# KiCad board Bellbot.kicad_pcb (continued)
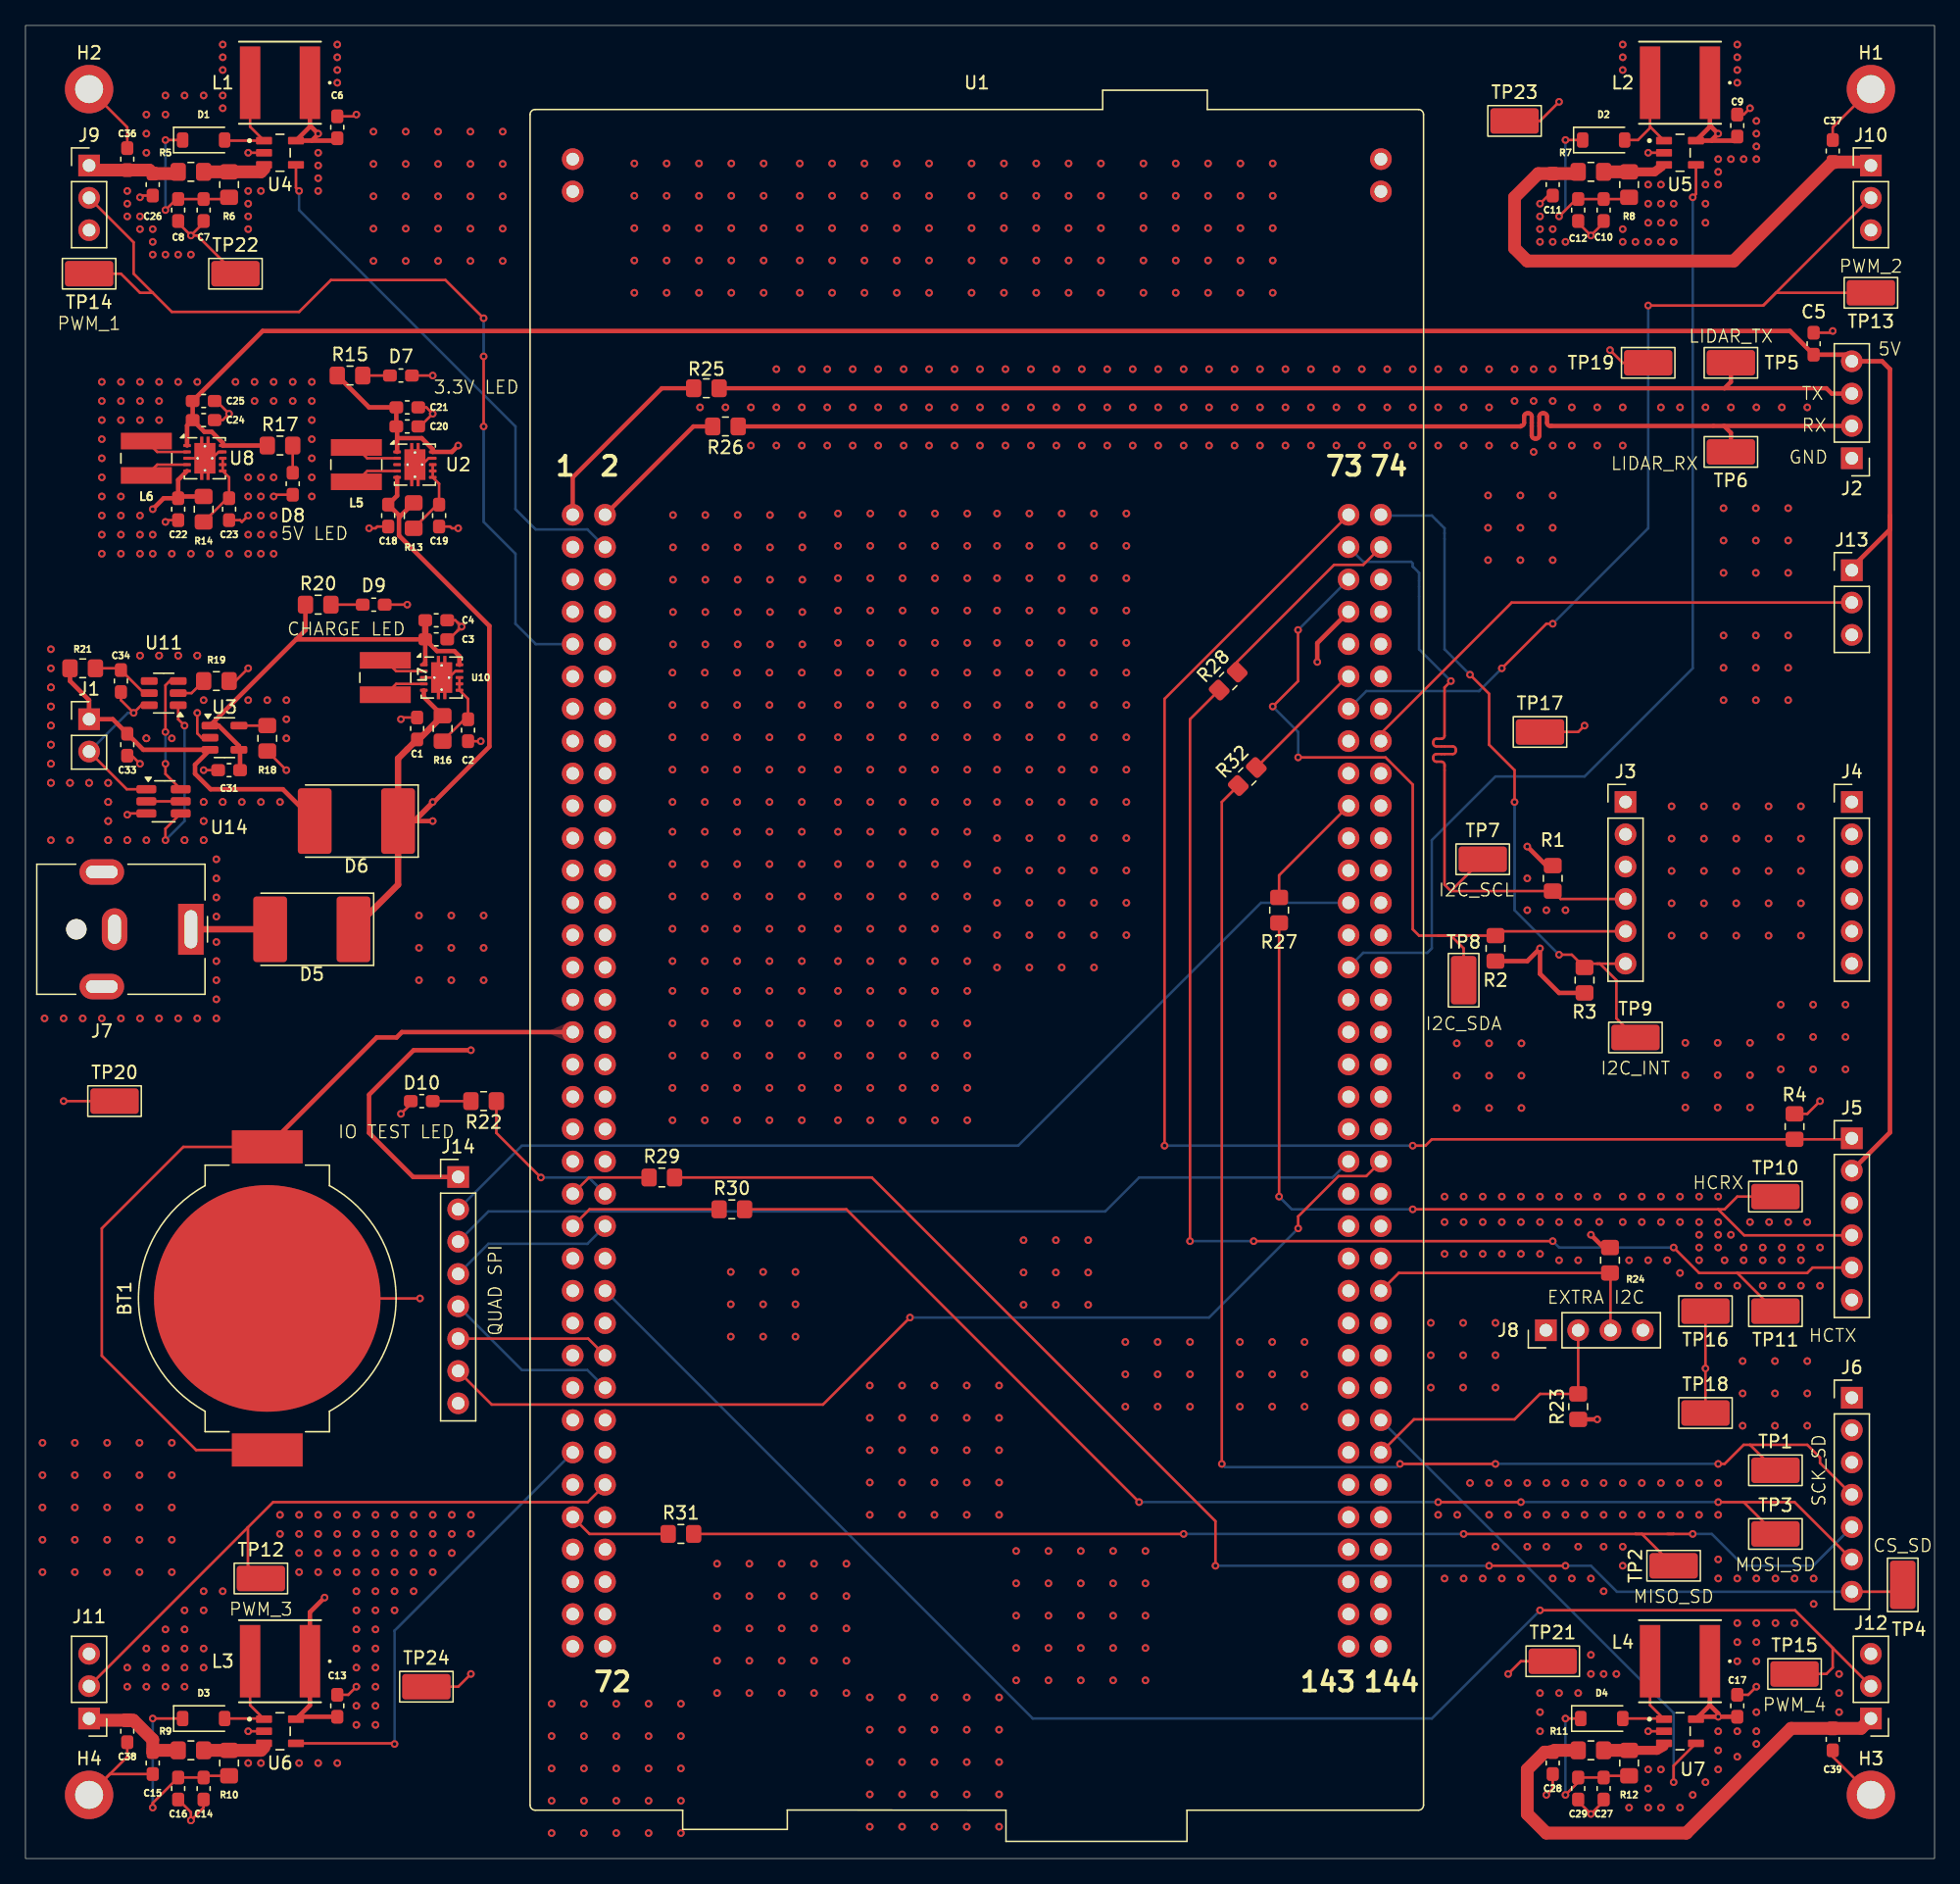
[diagram p0: board, top side]
## Footprints (pads in the part's own frame, mm; a bottom-side part is the same pattern mirrored in y, then rotated) (continued)
  rrect 0.6x0.24 smd: 1(-1.4,1) 2(-1.4,0.5) 3(-1.4,0) 4(-1.4,-0.5) 5(-1.4,-1) 6(1.4,-1) 7(1.4,-0.5) 8(1.4,0) 9(1.4,0.5) 10(1.4,1)
  round 0.5 hole 0.2: 11(-0.575,0) 11(0,0.95) 11(0,-0.95) 11(0.575,0)
  custom 1.65x2.4 smd: 11(0,0)

## Nets
3V3RX_LIDAR: J2.2 R26.1 R26.2 TP6.1 U1.2
3V3TX_LIDAR: J2.3 R25.1 R25.2 TP5.1 U1.1
8V_REG_EN1: U1.4 U4.4
8V_REG_EN2: U1.101 U5.4
8V_REG_EN3: U1.59 U6.4
8V_REG_EN4: U1.130 U7.4
+3.3V: C20.1 C21.1 J3.1 J6.1 J8.4 J14.1 R1.1 R2.1 R3.1 R15.1 R23.1 R24.1 U1.5 U1.12 U1.16 U1.79 U2.1 U2.10
+3V0: BT1.1 U1.33
+5V: C5.1 C24.1 C25.1 J2.4 J5.2 J13.1 R17.1 U8.1 U8.10
+5VC: C3.1 C4.1 C31.1 R20.1 U3.1 U3.4 U10.1 U10.10
+5VD: C1.1 C6.1 C9.1 C13.1 C17.1 C18.1 C22.1 D5.1 D6.1 L1.1 L2.1 L3.1 L4.1 R13.1 R14.1 R16.1 U2.5 U4.5 U5.5 U6.5 U7.5 U8.5 U10.5
+8V: C11.1 C15.1 C26.1 C28.1 C36.1 C37.1 C38.1 C39.1 J9.1 J10.1 J11.1 J12.1 R5.1 R7.1 R9.1 R11.1
GND: BT1.2 C1.2 C2.2 C3.2 C4.2 C5.2 C6.2 C7.2 C8.2 C9.2 C10.2 C11.2 C12.2 C13.2 C14.2 C15.2 C16.2 C17.2 C18.2 C19.2 C20.2 C21.2 C22.2 C23.2 C24.2 C25.2 C26.2 C27.2 C28.2 C29.2 C31.2 C33.1 C36.2 C37.2 C38.2 C39.2 D7.1 D8.1 D9.1 D10.1 H1.1 H2.1 H3.1 H4.1 J2.1 J3.3 J5.3 J6.3 J7.2 J8.1 J9.3 J10.3 J11.3 J12.3 J13.3 J14.8 R4.1 R18.2 R19.2 TP16.1 TP17.1 TP18.1 TP19.1 TP20.1 TP21.1 TP22.1 TP23.1 TP24.1 U1.8 U1.19 U1.20 U1.22 U1.49 U1.60 U1.71 U1.72 U1.81 U1.92 U1.104 U1.111 U1.126 U1.135 U1.143 U1.144 U2.3 U2.9 U2.11 U3.2 U4.2 U5.2 U6.2 U7.2 U8.3 U8.9 U8.11 U10.3 U10.9 U10.11 U14.3
+BATT0: C33.2 D6.2 J1.1 R21.1 U3.3
/Charging/OC0: U11.3 U14.6
/Charging/OD0: U11.1 U14.4
/GPIO_Gen0: U1.116
/GPIO_Gen1: U1.112
/GPIO_Gen2: U1.124
/GPIO_Gen3: U1.119
/GPIO_Gen4: U1.128
/GPIO_Gen5: U1.121
/GPIO_Gen6: U1.127
/GPIO_Gen7: U1.123
/GPIO_Gen8: U1.125
B-: C34.2 J1.2 U11.6 U14.1
CS_SD: J6.7 R29.1 R29.2 TP4.1 U1.43
HC05_RX: J5.4 R27.1 R27.2 TP10.1 U1.91
HC05_TX: J5.5 R28.1 R28.2 TP11.1 U1.76
HC-05_MODE: J5.1 R4.2 U1.73
HP_servo1: J9.2 TP14.1 U1.9
HP_servo2: J10.2 TP13.1 U1.85
HP_servo3: J11.2 TP12.1 U1.62
HP_servo4: J12.2 TP15.1 U1.50
I2C_Extra_SCL: J8.3 R24.2 U1.122
I2C_Extra_SDA: J8.2 R23.2 U1.132
I2C_INT: J3.6 R3.2 TP9.1 U1.74
I2C_SCL: J3.4 R1.2 TP7.1 U1.75
I2C_SDA: J3.5 R2.2 TP8.1 U1.77
LS_EN: U1.3
MISO_SD: J6.5 R31.1 R31.2 TP2.1 U1.63
MOSI_SD: J6.6 R30.1 R30.2 TP3.1 U1.45
MOTOR_EN_LIDAR: J13.2 U1.88
QUADSPI_CLK: J14.7 U1.114
QUADSPI_IO0: J14.6 U1.54
QUADSPI_IO1: J14.5 U1.56
QUADSPI_IO2: J14.4 U1.46
QUADSPI_IO3: J14.3 U1.113
QUADSPI_NCS: J14.2 U1.97
SCK_SD: J6.4 R32.1 R32.2 TP1.1 U1.83
Net-(D1-A): D1.2 L1.2 U4.1
Net-(D1-K): C7.1 C8.1 D1.1 R6.2
Net-(D2-A): D2.2 L2.2 U5.1
Net-(D2-K): C10.1 C12.1 D2.1 R8.2
Net-(D3-A): D3.2 L3.2 U6.1
Net-(D3-K): C14.1 C16.1 D3.1 R10.2
Net-(D4-A): D4.2 L4.2 U7.1
Net-(D4-K): C27.1 C29.1 D4.1 R12.2
Net-(D5-A): D5.2 J7.1
Net-(D7-A): D7.2 R15.2
Net-(D8-A): D8.2 R17.2
Net-(D9-A): D9.2 R20.2
Net-(D10-A): D10.2 R22.2
Net-(U1-PG3): R22.1 U1.44
Net-(U2-EN): C19.1 R13.2 U2.6 U2.7 U2.8
Net-(U2-L1): L5.2 U2.4
Net-(U2-L2): L5.1 U2.2
Net-(U3-PROG): R18.1 U3.5
Net-(U4-FB): R5.2 R6.1 U4.3
Net-(U5-FB): R7.2 R8.1 U5.3
Net-(U6-FB): R9.2 R10.1 U6.3
Net-(U7-FB): R11.2 R12.1 U7.3
Net-(U8-EN): C23.1 R14.2 U8.6 U8.7 U8.8
Net-(U8-L1): L6.2 U8.4
Net-(U8-L2): L6.1 U8.2
Net-(U10-EN): C2.1 R16.2 U10.6 U10.7 U10.8
Net-(U10-L1): L7.2 U10.4
Net-(U10-L2): L7.1 U10.2
Net-(U11-CS): R19.1 U11.2
Net-(U11-VCC): C34.1 R21.2 U11.5
Net-(U14-D-Pad2): U14.2 U14.5

Pads without a net: J3 2; J4 1 2 3 4 5 6; J5 6; J6 2; J7 MP; U1 6 7 10 11 13 14 15 17 18 21 23 24 25 26 27 28 29 30 31 32 34 35 36 37 38 39 40 41 42 47 48 51 52 53 55 57 58 61 64 65 66 67 68 69 70 78 80 82 84 86 87 89 90 93 94 95 96 98 99 100 102 103 105 106 107 108 109 110 115 117 118 120 129 131 133 134 136 137 138 139 140 141 142 145 146 147 148; U11 4

## Via types
v1: diameter 0.6, hole 0.3, Top to Bottom, 1378 vias

## Routing (per net, layer and track width the routed paths; a pad name or vN(x,y) marks a point on that pad's centre or on a via; arc(x,y) is an arc through that point)
3V3RX_LIDAR: length 106.3
  Top w0.336: 133.46,112.54 134,112 TP6.1 ; 133.46,112.54 J2.2 ; 133.46,112.54 119.79,112.54 arc(119.62,112.61) 119.55,112.78 119.55,113.3 arc(119.48,113.47) 119.31,113.54 119.19,113.54 arc(119.02,113.47) 118.95,113.3 118.95,111.78 arc(118.88,111.61) 118.71,111.54 118.59,111.54 arc(118.42,111.61) 118.35,111.78 118.35,113.3 arc(118.28,113.47) 118.11,113.54 117.99,113.54 arc(117.82,113.47) 117.75,113.3 117.75,112.78 arc(117.68,112.61) 117.51,112.54 117.47,112.5 R26.1 ; U1.2 52.48,112.5 R26.2
3V3TX_LIDAR: length 106.7
  Top w0.336: U1.1 43,108.5 50,115.5 R25.2 ; J2.3 141.92,115.08 141.5,115.5 133.5,115.5 ; TP5.1 134,116 133.5,115.5 ; 133.5,115.5 R25.1
8V_REG_EN1: length 42.5
  Top w0.2: v1(21.5,131) 21.25,131.25 U4.4
  Bottom w0.2: U1.4 44.15,104.41 40.09,104.41 38.5,106 38.5,112.5 21.5,129.5 v1(21.5,131)
8V_REG_EN2: length 81.4
  Top w0.2: v1(131,130.5) 131.25,130.75 U5.4
  Bottom w0.2: U1.101 105.11,71.15 110.15,71.15 110.5,71.5 110.5,80 115.5,85 122.5,85 131,93.5 v1(131,130.5)
8V_REG_EN3: length 36.5
  Top w0.2: v1(29,9) 28.95,9.05 U6.4
  Bottom w0.2: v1(29,9) 29,17.9 U1.59
8V_REG_EN4: length 41.7
  Top w0.2: U7.4 129.5,7.29 v1(129.5,6)
  Bottom w0.2: U1.130 129.5,11.44 v1(129.5,6)
+3.3V: length 56.7
  Top w0.35: v1(118,79.5) 119.5,78 R1.1 ; U1.79 101.5,95.48 v1(101.5,94) ; R24.1 124,48 v1(123,49) ; 29.2,111.5 29.2,112.44 C20.1 C21.1 27,114 R15.1 ; 29.2,111.5 U2.1 ; 29.2,111.5 29.28,111.58 31.13,111.58 32,110.71 U2.10 33.5,110.5 v1(34,111) ; R23.1 v1(123.5,34.5) ; J14.1 30.46,53.54 27,57 27,60 30.5,63.5 v1(35,63.5) ; R3.1 120.5,68 119,69.5 v1(119,71.5) 118,70.5 R2.1
+3V0: length 69.5
  Top w0.2: BT1.1 13.41,32.09 6,39.5 6,49.5 12.41,55.91 BT1.1
  Top w0.35: U1.33 29.58,64.92 29.16,64.5 27.59,64.5 BT1.1
+5V: length 217.2
  Top w0.35: C24.1 12.7,112.56 U8.1 ; C24.1 C25.1 18.64,120 138.64,120 C5.1 142.98,118.14 J2.4 145.88,117.62 146.5,117 146.5,105.5 ; C24.1 14.06,112.08 14.63,112.08 15.5,111.21 U8.10 R17.1 ; 146.5,105.5 146.5,104.41 143.29,101.2 ; 146.5,105.5 146.5,57.04 J5.2
+5VC: length 35
  Top w0.35: 21.28,95.78 22,96.5 R20.1 ; 21.28,95.78 U3.1 15.17,89 16.78,87.4 U3.4 16.86,87.01 C31.1 ; 21.28,95.78 C3.1 ; C3.1 31.41,93.96 31.3,93.85 ; C3.1 32.33,94.86 33.69,94.86 34.1,94.45 U10.10
  Top w0.5: C4.1 C3.1
+5VD: length 114.6
  Top w0.35: D6.1 v1(32,81.5) ; D6.1 30.6,81.5 36.45,87.35 36.45,96.83 29.35,103.93 29.35,105.35 ; D6.1 30.5,81.5 v1(32,83) ; 132.35,136.04 U5.5 132.5,134.95 ; 132.35,136.04 L2.1 ; 132.35,136.04 132.46,136.04 v1(133,135.5) 132.5,135 132.5,134.95 ; C22.1 12,108.3 U8.5 ; C22.1 10.86,106.86 v1(10,106) ; C22.1 12.14,107 R14.1 ; U2.5 29.2,107.06 C18.1 29.35,105.51 29.35,105.35 ; v1(23.5,20.5) 22.35,19.35 L3.1 22.35,12.04 U6.5 21.44,11.14 C13.1 ; 22.35,136.15 L1.1 ; 22.35,136.15 22.35,136.04 U4.5 22.5,134.95 ; 22.35,136.15 v1(23,135.5) 23,135.45 22.5,134.95 ; v1(133,11.14) 131.44,11.14 U7.5 132.35,12.04 ; v1(133,11.14) 133,11.39 132.35,12.04 ; v1(133,11.14) C17.1 ; U10.5 31.3,91.25 R16.1 ; 29.35,105.35 R13.1 ; 132.35,12.04 L4.1 ; 22.5,134.95 24.31,134.95 C6.1 ; 132.5,134.95 134.18,134.95 C9.1
  Top w0.5: R16.1 30.91,87.91 C1.1 29.28,86.41 D6.1 29.28,76.5 D5.1
+8V: length 97.1
  Top w1: R7.1 121.86,132.36 C11.1 118.86,132.36 117,130.5 117,126.5 118,125.5 134.22,125.5 C37.1 144.72,133.28 J10.1 ; R11.1 120.14,8.5 C28.1 119.36,8.36 118,7 118,3.5 119.5,2 130.5,2 138.72,10.22 144.22,10.22 J12.1 ; R9.1 10.14,8.5 C15.1 10,9.34 8.47,10.86 C38.1 5.14,10.86 J11.1 ; J9.1 5.36,132.64 C36.1 9.72,132.64 C26.1 11.86,132.36 R5.1
GND: length 146.9
  Top w0.2: D10.1 30.28,59.28 v1(29.5,58.5) ; C10.2 124,128.5 v1(123,127.5) 122,128.5 C12.2 ; U4.2 v1(17.5,134) ; U14.3 8.1,82.1 v1(8,82) ; U10.3 U10.11 ; C36.2 8,136 H2.1 ; C6.2 25.86,136.86 v1(26,137) ; TP21.1 117.5,15.5 v1(116.5,14.5) ; C33.1 8.36,86.64 v1(9,86) ; TP18.1 v1(132,38.5) TP16.1 ; v1(19.5,107) 19.64,107.14 D8.1 ; U10.9 33.78,93.28 U10.11 ; C24.2 15.5,113 v1(16,113.5) 15,114.5 C25.2 ; U8.3 U8.11 ; U2.11 31.67,110 U2.9 ; U8.11 15.17,110.5 U8.9 ; v1(13.5,90) 13.5,88.39 13.84,88.05 U3.2 ; C9.2 135,137 v1(135.5,137.5) ; C21.2 31.5,114 v1(32,113.5) 31,112.5 C20.2 ; C23.2 16.86,105.14 17,105 v1(17.5,105.5) ; C31.2 v1(14,85.5) ; v1(9,130.5) 9.14,130.64 C26.2 ; C3.2 33.28,95.78 v1(34.28,96.78) 33.78,97.28 C4.2 ; C2.2 v1(35.78,87.78) ; v1(119,130) 119.64,130.64 C11.2 ; U6.2 v1(17.5,10) ; R4.1 140,58.5 v1(141,59.5) ; v1(124.5,118.5) 125.5,117.5 TP19.1 ; v1(13,127.5) 14,128.5 C7.2 ; v1(13,127.5) 13.5,127.5 TP22.1 ; v1(13,127.5) 12,128.5 C8.2 ; C27.2 124,4.5 v1(123,3.5) 122,4.5 C29.2 ; C16.2 13,3.64 v1(13,3) 14,4 C14.2 ; R19.2 16.5,92.5 v1(17.5,93.5) ; C39.2 142,8 H3.1 ; TP17.1 122,88.5 v1(122.5,89) ; TP23.1 119,136.5 v1(120.5,138) ; C37.2 142,136 H1.1 ; C22.2 11.14,105.14 v1(11,105) ; C18.2 27.64,104.64 27.5,104.5 v1(27,104.5) ; D7.1 v1(32,116.5) ; v1(119.5,5) 120,5.5 C28.2 ; C13.2 25.36,12.86 v1(26,13.5) ; C15.2 6.64,6.64 H4.1 8,8 C38.2 ; TP24.1 34,13.5 v1(35,14.5) ; TP20.1 v1(3,59.5) ; v1(34,104.5) 33.5,104.5 33.36,104.64 C19.2 ; R18.2 v1(20.5,85.5) ; C5.2 141.86,119.86 v1(142,120) ; v1(136,13.5) 135.36,12.86 C17.2 ; U5.2 v1(127.5,134) ; v1(29.5,89.5) 29.64,89.64 C1.2 ; BT1.2 v1(31,44) ; U7.2 v1(127.5,10) ; D9.1 v1(30,98.5)
  vias: v1(1.34,32.66) v1(1.34,30.12) v1(1.34,27.58) v1(1.34,25.04) v1(1.34,22.5) v1(1.5,66) v1(2,95) v1(2,93.5) v1(2,92) v1(2,92) v1(2,90.5) v1(2,90.5) v1(2,89) v1(2,89) v1(2,87.5) v1(2,87.5) v1(2,86) v1(2,86) v1(2,84.5) v1(2,84.5) v1(2,80) v1(3,66) v1(3.5,84.5) v1(3.5,84.5) v1(3.5,80) v1(3.88,32.66) v1(3.88,30.12) v1(3.88,27.58) v1(3.88,25.04) v1(3.88,22.5) v1(4.5,66) v1(5,84.5) v1(5,84.5) v1(6,116) v1(6,114.5) v1(6,113) v1(6,111.5) v1(6,110) v1(6,108.5) v1(6,107) v1(6,105.5) v1(6,104) v1(6,102.5) v1(6,66) v1(6.42,32.66) v1(6.42,30.12) v1(6.42,27.58) v1(6.42,25.04) v1(6.42,22.5) v1(6.5,84.5) v1(6.5,84.5) v1(6.5,83) v1(6.5,83) v1(6.5,81.5) v1(6.5,81.5) v1(6.5,80) v1(6.5,80) v1(7.5,116) v1(7.5,114.5) v1(7.5,113) v1(7.5,107) v1(7.5,105.5) v1(7.5,104) v1(7.5,102.5) v1(7.5,66) v1(8,131) v1(8,130) v1(8,129) v1(8,80) v1(8,80) v1(8,15) v1(8,13.5) v1(9,129) v1(9,128) v1(9,116) v1(9,114.5) v1(9,113) v1(9,105.5) v1(9,104) v1(9,102.5) v1(9,94.5) v1(9,94.5) v1(9,66) v1(8.96,32.66) v1(8.96,30.12) v1(8.96,27.58) v1(8.96,25.04) v1(8.96,22.5) v1(9.5,137) v1(9.5,135.5) v1(9.5,134) v1(9.5,88) v1(9.5,88) v1(9.5,80) v1(9.5,16.5) v1(9.5,15) v1(9.5,13.5) v1(10,128) v1(10,127) v1(10,126) v1(10,104) v1(10,102.5) v1(10.5,116) v1(10.5,114.5) v1(10.5,113) v1(10.5,94.5) v1(10.5,94.5) v1(10.5,66) v1(11,138.5) v1(11,137) v1(11,126) v1(11,18) v1(11,16.5) v1(11,15) v1(11,13.5) v1(11.5,102.5) v1(11.5,88) v1(11.5,32.66) v1(11.5,30.12) v1(11.5,27.58) v1(11.5,25.04) v1(11.5,22.5) v1(12,126) v1(12,116) v1(12,94.5) v1(12,94.5) v1(12,66) v1(12.5,138.5) v1(12.5,80) v1(12.5,80) v1(12.5,19.5) v1(12.5,18) v1(12.5,16.5) v1(12.5,15) v1(12.5,13.5) v1(13,126) v1(13,102.5) v1(13.5,116) v1(13.5,94.5) v1(13.5,94.5) v1(13.5,66) v1(14,138.5) v1(14,91) v1(14,83) v1(14,83) v1(14,81.5) v1(14,81.5) v1(14,80) v1(14,80) v1(14,21) v1(14,19.5) v1(14,16.5) v1(14,15) v1(14.5,102.5) v1(15,78.5) v1(15,77) v1(15,75.5) v1(15,74) v1(15,72) v1(15,70.5) v1(15,69) v1(15,67.5) v1(15,66) v1(15.5,142.5) v1(15.5,141.5) v1(15.5,140.5) v1(15.5,138.5) v1(15.5,137.5) v1(15.5,83) v1(15.5,83) v1(15.5,21) v1(16,102.5) v1(16.5,116) v1(17,83) v1(17.5,131) v1(17.5,130) v1(17.5,129) v1(17.5,128) v1(17.5,108.5) v1(17.5,107) v1(17.5,104) v1(17.5,102.5) v1(17.5,91) v1(17.5,7.5) v1(18,116) v1(18,114.5) v1(18.5,131) v1(18.5,108.5) v1(18.5,107) v1(18.5,105.5) v1(18.5,104) v1(18.5,102.5) v1(18.5,83) v1(18.5,7.5) v1(19,91) v1(19.5,116) v1(19.5,114.5) v1(19.5,108.5) v1(19.5,105.5) v1(19.5,104) v1(19.5,102.5) v1(20,83) v1(20,27) v1(20,25.5) v1(20.5,91) v1(20.5,89.5) v1(20.5,88) v1(21,116) v1(21,114.5) v1(21.5,27) v1(21.5,25.5) v1(21.5,24) v1(21.5,22.5) v1(21.5,7.5) v1(22.5,116) v1(22.5,114.5) v1(22.5,113) v1(22.5,111.5) v1(22.5,110) v1(22.5,108.5) v1(22.5,107) v1(23,134) v1(23,133) v1(23,132) v1(23,131) v1(23,27) v1(23,25.5) v1(23,24) v1(23,22.5) v1(23,7.5) v1(24.5,142.5) v1(24.5,141.5) v1(24.5,140.5) v1(24.5,139.5) v1(24.5,27) v1(24.5,25.5) v1(24.5,24) v1(24.5,22.5) v1(24.5,7.5) v1(26,27) v1(26,25.5) v1(26,24) v1(26,22.5) v1(26,21) v1(26,19.5) v1(26,18) v1(26,16.5) v1(26,15) v1(26,12) v1(26,10.5) v1(27.34,135.66) v1(27.34,133.12) v1(27.34,130.58) v1(27.34,128.04) v1(27.34,125.5) v1(27.5,27) v1(27.5,25.5) v1(27.5,24) v1(27.5,22.5) v1(27.5,21) v1(27.5,19.5) v1(27.5,18) v1(27.5,16.5) v1(27.5,15) v1(27.5,13.5) v1(27.5,12) v1(27.5,10.5) v1(29,27) v1(29,25.5) v1(29,24) v1(29,22.5) v1(29,21) v1(29,19.5) v1(29.88,135.66) v1(29.88,133.12) v1(29.88,130.58) v1(29.88,128.04) v1(29.88,125.5) v1(30.5,27) v1(30.5,25.5) v1(30.5,24) v1(30.5,22.5) v1(30.5,21) v1(30.92,74.08) v1(30.92,71.54) v1(30.92,69) v1(32,27) v1(32,25.5) v1(32,24) v1(32,22.5) v1(32.42,135.66) v1(32.42,133.12) v1(32.42,130.58) v1(32.42,128.04) v1(32.42,125.5) v1(33.46,74.08) v1(33.46,71.54) v1(33.46,69) v1(33.5,27) v1(33.5,25.5) v1(33.5,24) v1(34.96,135.66) v1(34.96,133.12) v1(34.96,130.58) v1(34.96,128.04) v1(34.96,125.5) v1(35,27) v1(35,25.5) v1(36,74.08) v1(36,71.54) v1(36,69) v1(37.5,135.66) v1(37.5,133.12) v1(37.5,130.58) v1(37.5,128.04) v1(37.5,125.5) v1(41.34,12.16) v1(41.34,9.62) v1(41.34,7.08) v1(41.34,4.54) v1(41.34,2) v1(43.88,12.16) v1(43.88,9.62) v1(43.88,7.08) v1(43.88,4.54) v1(43.88,2) v1(46.42,12.16) v1(46.42,9.62) v1(46.42,7.08) v1(46.42,4.54) v1(46.42,2) v1(47.84,133.16) v1(47.84,130.62) v1(47.84,128.08) v1(47.84,125.54) v1(47.84,123) v1(48.96,12.16) v1(48.96,9.62) v1(48.96,7.08) v1(48.96,4.54) v1(48.96,2) v1(50.38,133.16) v1(50.38,130.62) v1(50.38,128.08) v1(50.38,125.54) v1(50.38,123) v1(50.84,93.16) v1(50.84,90.62) v1(50.84,88.08) v1(50.84,85.54) v1(50.84,83) v1(50.84,80.66) v1(50.84,78.12) v1(50.84,75.58) v1(50.84,73.04) v1(50.84,70.5) v1(50.84,68.16) v1(50.84,65.62) v1(50.84,63.08) v1(50.84,60.54) v1(50.84,58) v1(50.88,105.54) v1(50.88,103) v1(50.88,100.46) v1(50.88,97.92) v1(50.88,95.38) v1(51.5,12.16) v1(51.5,9.62) v1(51.5,7.08) v1(51.5,4.54) v1(51.5,2) v1(52.92,133.16) v1(52.92,130.62) v1(52.92,128.08) v1(52.92,125.54) v1(52.92,123) v1(53,114) v1(53.42,105.54) v1(53.42,103) v1(53.42,100.46) v1(53.42,97.92) v1(53.42,95.38) v1(53.38,93.16) v1(53.38,90.62) v1(53.38,88.08) v1(53.38,85.54) v1(53.38,83) v1(53.38,80.66) v1(53.38,78.12) v1(53.38,75.58) v1(53.38,73.04) v1(53.38,70.5) v1(53.38,68.16) v1(53.38,65.62) v1(53.38,63.08) v1(53.38,60.54) v1(53.38,58) v1(54.34,23.16) v1(54.34,20.62) v1(54.34,18.08) v1(54.34,15.54) v1(54.34,13) v1(55,114) v1(55.42,46.08) v1(55.42,43.54) v1(55.42,41) v1(55.46,133.16) v1(55.46,130.62) v1(55.46,128.08) v1(55.46,125.54) v1(55.46,123) v1(55.92,93.16) v1(55.92,90.62) v1(55.92,88.08) v1(55.92,85.54) v1(55.92,83) v1(55.92,80.66) v1(55.92,78.12) v1(55.92,75.58) v1(55.92,73.04) v1(55.92,70.5) v1(55.92,68.16) v1(55.92,65.62) v1(55.92,63.08) v1(55.92,60.54) v1(55.92,58) v1(55.96,105.54) v1(55.96,103) v1(55.96,100.46) v1(55.96,97.92) v1(55.96,95.38) v1(56.88,23.16) v1(56.88,20.62) v1(56.88,18.08) v1(56.88,15.54) v1(56.88,13) v1(57,114) v1(57,111) v1(58,133.16) v1(58,130.62) v1(58,128.08) v1(58,125.54) v1(58,123) v1(57.96,46.08) v1(57.96,43.54) v1(57.96,41) v1(58.5,105.54) v1(58.5,103) v1(58.5,100.46) v1(58.5,97.92) v1(58.5,95.38) v1(58.46,93.16) v1(58.46,90.62) v1(58.46,88.08) v1(58.46,85.54) v1(58.46,83) v1(58.46,80.66) v1(58.46,78.12) v1(58.46,75.58) v1(58.46,73.04) v1(58.46,70.5) v1(58.46,68.16) v1(58.46,65.62) v1(58.46,63.08) v1(58.46,60.54) v1(58.46,58) v1(59,117) v1(59,114) v1(59,111) v1(59.42,23.16) v1(59.42,20.62) v1(59.42,18.08) v1(59.42,15.54) v1(59.42,13) v1(60.5,46.08) v1(60.5,43.54) v1(60.5,41) v1(60.84,133.16) v1(60.84,130.62) v1(60.84,128.08) v1(60.84,125.54) v1(60.84,123) v1(61,117) v1(61,114) v1(61,111) v1(61.04,105.54) v1(61.04,103) v1(61.04,100.46) v1(61.04,97.92) v1(61.04,95.38) v1(61,93.16) v1(61,90.62) v1(61,88.08) v1(61,85.54) v1(61,83) v1(61,80.66) v1(61,78.12) v1(61,75.58) v1(61,73.04) v1(61,70.5) v1(61,68.16) v1(61,65.62) v1(61,63.08) v1(61,60.54) v1(61,58) v1(61.96,23.16) v1(61.96,20.62) v1(61.96,18.08) v1(61.96,15.54) v1(61.96,13) v1(63,117) v1(63,114) v1(63,111) v1(63.38,133.16) v1(63.38,130.62) v1(63.38,128.08) v1(63.38,125.54) v1(63.38,123) v1(63.84,105.66) v1(63.84,103.12) v1(63.84,100.58) v1(63.84,98.04) v1(63.84,95.5) v1(63.84,93.16) v1(63.84,90.62) v1(63.84,88.08) v1(63.84,85.54) v1(63.84,83) v1(63.84,80.66) v1(63.84,78.12) v1(63.84,75.58) v1(63.84,73.04) v1(63.84,70.5) v1(63.84,68.16) v1(63.84,65.62) v1(63.84,63.08) v1(63.84,60.54) v1(63.84,58) v1(64.5,23.16) v1(64.5,20.62) v1(64.5,18.08) v1(64.5,15.54) v1(64.5,13) v1(65,117) v1(65,114) v1(65,111) v1(65.92,133.16) v1(65.92,130.62) v1(65.92,128.08) v1(65.92,125.54) v1(65.92,123) v1(66.34,37.16) v1(66.34,34.62) v1(66.34,32.08) v1(66.34,29.54) v1(66.34,27) v1(66.34,12.66) v1(66.34,10.12) v1(66.34,7.58) v1(66.34,5.04) v1(66.34,2.5) v1(66.38,105.66) v1(66.38,103.12) v1(66.38,100.58) v1(66.38,98.04) v1(66.38,95.5) v1(66.38,93.16) v1(66.38,90.62) v1(66.38,88.08) v1(66.38,85.54) v1(66.38,83) v1(66.38,80.66) v1(66.38,78.12) v1(66.38,75.58) v1(66.38,73.04) v1(66.38,70.5) v1(66.38,68.16) v1(66.38,65.62) v1(66.38,63.08) v1(66.38,60.54) v1(66.38,58) v1(67,117) v1(67,114) v1(67,111) v1(68.46,133.16) v1(68.46,130.62) v1(68.46,128.08) v1(68.46,125.54) v1(68.46,123) v1(68.92,105.66) v1(68.92,103.12) v1(68.92,100.58) v1(68.92,98.04) v1(68.92,95.5) v1(68.92,93.16) v1(68.92,90.62) v1(68.92,88.08) v1(68.92,85.54) v1(68.92,83) v1(68.92,80.66) v1(68.92,78.12) v1(68.92,75.58) v1(68.92,73.04) v1(68.92,70.5) v1(68.92,68.16) v1(68.92,65.62) v1(68.92,63.08) v1(68.92,60.54) v1(68.92,58) v1(68.88,37.16) v1(68.88,34.62) v1(68.88,32.08) v1(68.88,29.54) v1(68.88,27) v1(68.88,12.66) v1(68.88,10.12) v1(68.88,7.58) v1(68.88,5.04) v1(68.88,2.5) v1(69,117) v1(69,114) v1(69,111) v1(71,133.16) v1(71,130.62) v1(71,128.08) v1(71,125.54) v1(71,123) v1(71,117) v1(71,114) v1(71,111) v1(71.42,37.16) v1(71.42,34.62) v1(71.42,32.08) v1(71.42,29.54) v1(71.42,27) v1(71.42,12.66) v1(71.42,10.12) v1(71.42,7.58) v1(71.42,5.04) v1(71.42,2.5) v1(71.46,105.66) v1(71.46,103.12) v1(71.46,100.58) v1(71.46,98.04) v1(71.46,95.5) v1(71.46,93.16) v1(71.46,90.62) v1(71.46,88.08) v1(71.46,85.54) v1(71.46,83) v1(71.46,80.66) v1(71.46,78.12) v1(71.46,75.58) v1(71.46,73.04) v1(71.46,70.5) v1(71.46,68.16) v1(71.46,65.62) v1(71.46,63.08) v1(71.46,60.54) v1(71.46,58) v1(73,117) v1(73,114) v1(73,111) v1(74,105.66) v1(74,103.12) v1(74,100.58) v1(74,98.04) v1(74,95.5) v1(74,93.16) v1(74,90.62) v1(74,88.08) v1(74,85.54) v1(74,83) v1(74,80.66) v1(74,78.12) v1(74,75.58) v1(74,73.04) v1(74,70.5) v1(74,68.16) v1(74,65.62) v1(74,63.08) v1(74,60.54) v1(74,58) v1(73.96,37.16) v1(73.96,34.62) v1(73.96,32.08) v1(73.96,29.54) v1(73.96,27) v1(73.96,12.66) v1(73.96,10.12) v1(73.96,7.58) v1(73.96,5.04) v1(73.96,2.5) v1(74.34,133.16) v1(74.34,130.62) v1(74.34,128.08) v1(74.34,125.54) v1(74.34,123) v1(75,117) v1(75,114) v1(75,111) v1(76.34,105.66) v1(76.34,103.12) v1(76.34,100.58) v1(76.34,98.04) v1(76.34,95.5) v1(76.34,93.16) v1(76.34,90.62) v1(76.34,88.08) v1(76.34,85.54) v1(76.34,83) v1(76.34,80.16) v1(76.34,77.62) v1(76.34,75.08) v1(76.34,72.54) v1(76.34,70) v1(76.5,37.16) v1(76.5,34.62) v1(76.5,32.08) v1(76.5,29.54) v1(76.5,27) v1(76.5,12.66) v1(76.5,10.12) v1(76.5,7.58) v1(76.5,5.04) v1(76.5,2.5) v1(76.88,133.16) v1(76.88,130.62) v1(76.88,128.08) v1(76.88,125.54) v1(76.88,123) v1(77,117) v1(77,114) v1(77,111) v1(77.84,24.16) v1(77.84,21.62) v1(77.84,19.08) v1(77.84,16.54) v1(77.84,14) v1(78.42,48.58) v1(78.42,46.04) v1(78.42,43.5) v1(78.88,105.66) v1(78.88,103.12) v1(78.88,100.58) v1(78.88,98.04) v1(78.88,95.5) v1(78.88,93.16) v1(78.88,90.62) v1(78.88,88.08) v1(78.88,85.54) v1(78.88,83) v1(78.88,80.16) v1(78.88,77.62) v1(78.88,75.08) v1(78.88,72.54) v1(78.88,70) v1(79,117) v1(79,114) v1(79,111) v1(79.42,133.16) v1(79.42,130.62) v1(79.42,128.08) v1(79.42,125.54) v1(79.42,123) v1(80.38,24.16) v1(80.38,21.62) v1(80.38,19.08) v1(80.38,16.54) v1(80.38,14) v1(81,117) v1(81,114) v1(81,111) v1(80.96,48.58) v1(80.96,46.04) v1(80.96,43.5) v1(81.42,105.66) v1(81.42,103.12) v1(81.42,100.58) v1(81.42,98.04) v1(81.42,95.5) v1(81.42,93.16) v1(81.42,90.62) v1(81.42,88.08) v1(81.42,85.54) v1(81.42,83) v1(81.42,80.16) v1(81.42,77.62) v1(81.42,75.08) v1(81.42,72.54) v1(81.42,70) v1(81.96,133.16) v1(81.96,130.62) v1(81.96,128.08) v1(81.96,125.54) v1(81.96,123) v1(82.92,24.16) v1(82.92,21.62) v1(82.92,19.08) v1(82.92,16.54) v1(82.92,14) v1(83,117) v1(83,114) v1(83,111) v1(83.5,48.58) v1(83.5,46.04) v1(83.5,43.5) v1(83.96,105.66) v1(83.96,103.12) v1(83.96,100.58) v1(83.96,98.04) v1(83.96,95.5) v1(83.96,93.16) v1(83.96,90.62) v1(83.96,88.08) v1(83.96,85.54) v1(83.96,83) v1(83.96,80.16) v1(83.96,77.62) v1(83.96,75.08) v1(83.96,72.54) v1(83.96,70) v1(84.5,133.16) v1(84.5,130.62) v1(84.5,128.08) v1(84.5,125.54) v1(84.5,123) v1(85,117) v1(85,114) v1(85,111) v1(85.46,24.16) v1(85.46,21.62) v1(85.46,19.08) v1(85.46,16.54) v1(85.46,14) v1(86.42,40.58) v1(86.42,38.04) v1(86.42,35.5) v1(86.5,105.66) v1(86.5,103.12) v1(86.5,100.58) v1(86.5,98.04) v1(86.5,95.5) v1(86.5,93.16) v1(86.5,90.62) v1(86.5,88.08) v1(86.5,85.54) v1(86.5,83) v1(86.5,80.16) v1(86.5,77.62) v1(86.5,75.08) v1(86.5,72.54) v1(87,117) v1(87,114) v1(87,111) v1(87.84,133.16) v1(87.84,130.62) v1(87.84,128.08) v1(87.84,125.54) v1(87.84,123) v1(88,24.16) v1(88,21.62) v1(88,19.08) v1(88,16.54) v1(88,14) v1(89,117) v1(89,114) v1(89,111) v1(88.96,40.58) v1(88.96,38.04) v1(88.96,35.5) v1(90.38,133.16) v1(90.38,130.62) v1(90.38,128.08) v1(90.38,125.54) v1(90.38,123) v1(91,117) v1(91,114) v1(91,111) v1(91.5,40.58) v1(91.5,38.04) v1(91.5,35.5) v1(92.92,133.16) v1(92.92,130.62) v1(92.92,128.08) v1(92.92,125.54) v1(92.92,123) v1(93,117) v1(93,114) v1(93,111) v1(95,117) v1(95,114) v1(95,111) v1(95.42,40.58) v1(95.42,38.04) v1(95.42,35.5) v1(95.46,133.16) v1(95.46,130.62) v1(95.46,128.08) v1(95.46,125.54) v1(95.46,123) v1(97,117) v1(97,114) v1(97,111) v1(98,133.16) v1(98,130.62) v1(98,128.08) v1(98,125.54) v1(98,123) v1(97.96,40.58) v1(97.96,38.04) v1(97.96,35.5) v1(99,117) v1(99,114) v1(99,111) v1(100.5,40.58) v1(100.5,38.04) v1(100.5,35.5) v1(101,117) v1(101,114) v1(101,111) v1(103,117) v1(103,114) v1(103,111) v1(105,117) v1(105,114) v1(105,111) v1(107,117) v1(107,114) v1(107,111) v1(109,117) v1(109,114) v1(109,111) v1(110.42,42.08) v1(110.42,39.54) v1(110.42,37) v1(111,117) v1(111,114) v1(111,111) v1(111,27) v1(111.5,52) v1(111.5,50) v1(111.5,47.5) v1(111.5,22) v1(112.46,64.04) v1(112.46,61.5) v1(112.46,58.96) v1(112.5,27) v1(113,117) v1(113,114) v1(113,111) v1(113,52) v1(113,50) v1(113,47.5) v1(112.96,42.08) v1(112.96,39.54) v1(112.96,37) v1(113,22) v1(113.5,29.5) v1(114.5,52) v1(114.5,50) v1(114.5,47.5) v1(114.5,22) v1(114.92,107.08) v1(114.92,104.54) v1(114.92,102) v1(115,117) v1(115,114) v1(115,111) v1(115,64.04) v1(115,61.5) v1(115,58.96) v1(115,29.5) v1(115,27) v1(115.5,42.08) v1(115.5,39.54) v1(115.5,37) v1(115.5,24.5) v1(116,52) v1(116,50) v1(116,47.5) v1(116,22) v1(116.5,29.5) v1(116.5,27) v1(117,117) v1(117,114.5) v1(117,111) v1(117.46,107.08) v1(117.46,104.54) v1(117.46,102) v1(117.54,64.04) v1(117.54,61.5) v1(117.54,58.96) v1(117.5,52) v1(117.5,50) v1(117.5,47.5) v1(117.5,22) v1(118,77) v1(118,74.5) v1(118,29.5) v1(118,27) v1(118,24.5) v1(118.5,117) v1(118.5,114.5) v1(118.5,110.5) v1(119,129) v1(119,128) v1(119,127) v1(119,52) v1(119,50) v1(119,47.5) v1(119,13) v1(119,11.5) v1(119,10) v1(119.5,74.5) v1(119.5,29.5) v1(119.5,27) v1(119.5,24.5) v1(120,128) v1(120,127) v1(120,117) v1(120,114.5) v1(120,111) v1(120,107.08) v1(120,104.54) v1(120,102) v1(120,22) v1(120.5,52) v1(120.5,50) v1(120.5,47) v1(120.5,13) v1(121,127) v1(121,74.5) v1(121,29.5) v1(121,27) v1(121.5,114) v1(121.5,111) v1(121.5,22) v1(122,52) v1(122,50) v1(122,47) v1(122,24.5) v1(122,13) v1(122.5,29.5) v1(122.5,27) v1(123,22) v1(123,16) v1(123,14.5) v1(123.5,114) v1(123.5,111) v1(123.5,52) v1(123.65,50.01) v1(124,29.5) v1(124,27) v1(124,24.5) v1(124,21) v1(124,14.5) v1(125,14.5) v1(125.5,142.5) v1(125.5,141.5) v1(125.5,140.5) v1(125.5,128) v1(125.5,127) v1(125.5,114) v1(125.5,111) v1(125.5,52) v1(125.5,50) v1(125.5,29.5) v1(125.5,27) v1(125.5,24.5) v1(125.5,23) v1(126,47) v1(126,4) v1(126.5,127) v1(127,52) v1(127,50) v1(127,29.5) v1(127,27) v1(127.5,131.5) v1(127.5,130) v1(127.5,128.5) v1(127.5,127) v1(127.5,47) v1(127.5,7) v1(127.5,5.5) v1(127.5,4) v1(128.5,131.5) v1(128.5,130) v1(128.5,128.5) v1(128.5,127) v1(128.5,114) v1(128.5,52) v1(128.5,50) v1(128.5,29.5) v1(128.5,27) v1(128.5,7) v1(128.5,4) v1(129,47) v1(129.34,82.66) v1(129.34,80.12) v1(129.34,77.58) v1(129.34,75.04) v1(129.34,72.5) v1(129.5,130) v1(129.5,128.5) v1(129.5,127) v1(130,114) v1(130,52) v1(130,50) v1(130,46) v1(130,29.5) v1(130,27) v1(130,4) v1(130.42,64.08) v1(130.42,61.54) v1(130.42,59) v1(131,5) v1(131.5,52) v1(131.5,50) v1(131.5,49) v1(131.5,48) v1(131.5,47) v1(131.5,45) v1(131.5,29.5) v1(131.5,27) v1(131.88,82.66) v1(131.88,80.12) v1(131.88,77.58) v1(131.88,75.04) v1(131.88,72.5) v1(132,131.5) v1(132,130) v1(132,128.5) v1(132,114) v1(132,6) v1(133,133.5) v1(133,132.5) v1(133,131.5) v1(132.96,64.08) v1(132.96,61.54) v1(132.96,59) v1(133,52) v1(133,50) v1(133,49) v1(133,48) v1(133,45) v1(133,29.5) v1(133,27) v1(133,23.5) v1(133,22) v1(133,10) v1(133,8.5) v1(133,7) v1(133.42,106.08) v1(133.42,103.54) v1(133.42,101) v1(133.42,96.08) v1(133.42,93.54) v1(133.42,91) v1(133.5,47) v1(134,133.5) v1(134,114) v1(134,49) v1(134.42,82.66) v1(134.42,80.12) v1(134.42,77.58) v1(134.42,75.04) v1(134.42,72.5) v1(134.5,142.5) v1(134.5,141.5) v1(134.5,140.5) v1(134.5,139.5) v1(134.5,45) v1(134.5,22) v1(134.5,18.5) v1(134.5,17) v1(134.5,15.5) v1(134.5,10) v1(134.5,8) v1(134.92,39.08) v1(134.92,36.54) v1(134.92,34) v1(135,133.5) v1(135,48) v1(135,47) v1(135.5,64.08) v1(135.5,61.54) v1(135.5,59) v1(135.5,50) v1(136,136.5) v1(136,135.5) v1(136,134.5) v1(136,133.5) v1(136,114) v1(135.96,106.08) v1(135.96,103.54) v1(135.96,101) v1(135.96,96.08) v1(135.96,93.54) v1(135.96,91) v1(136,22) v1(136,18.5) v1(136,17) v1(136,15.5) v1(136,11.5) v1(136,10) v1(136,9) v1(136.5,48) v1(136.5,47) v1(136.5,45) v1(136.96,82.66) v1(136.96,80.12) v1(136.96,77.58) v1(136.96,75.04) v1(136.96,72.5) v1(137,50) v1(137.46,39.08) v1(137.46,36.54) v1(137.46,34) v1(137.5,22) v1(137.5,18.5) v1(137.92,67.08) v1(137.92,64.54) v1(137.92,62) v1(138,114) v1(138,48) v1(138,47) v1(138,45) v1(138.5,106.08) v1(138.5,103.54) v1(138.5,101) v1(138.5,96.08) v1(138.5,93.54) v1(138.5,91) v1(138.5,50) v1(139,22) v1(139,18.5) v1(139.5,82.66) v1(139.5,80.12) v1(139.5,77.58) v1(139.5,75.04) v1(139.5,72.5) v1(139.5,48) v1(139.5,47) v1(139.5,45) v1(140,114) v1(140,50) v1(140,39.08) v1(140,36.54) v1(140,34) v1(140.46,67.08) v1(140.46,64.54) v1(140.46,62) v1(140.5,22) v1(140.5,20) v1(141,48) v1(141,45) v1(142.5,14.5) v1(142.5,13) v1(142.5,11.5) v1(143,67.08) v1(143,64.54) v1(143,62)
+BATT0: length 28.4
  Top w0.35: R21.1 3.5,92.5 5,91 J1.1 6.86,89.5 C33.2 9.26,87.1 U3.3 13.32,85.92 13.32,85.22 14.54,84 20.22,84 D6.2
/Charging/OC0: length 9.8
  Top w0.2: U14.6 11,85.2 v1(11,86) ; U11.3 11.34,92.5 11,92.16 v1(11,88.5)
  Bottom w0.2: v1(11,88.5) v1(11,86)
/Charging/OD0: length 14
  Top w0.2: v1(12.5,89) 12,89.5 U11.1 ; v1(11,80) 11,80.9 U14.4
  Bottom w0.2: v1(11,80) 12.5,81.5 v1(12.5,89)
B-: length 14
  Top w0.2: U14.1 7.96,84 J1.2 ; U11.6 9.1,90.6 v1(8.5,90) 7.5,91 C34.2
  Bottom w0.2: J1.2 8.04,90 v1(8.5,90)
CS_SD: length 118.8
  Top w0.2: v1(93.5,23) 93.5,26.5 66.5,53.5 R29.2 ; v1(115,23) v1(121,23) ; TP4.1 146.96,20.96 J6.7 ; R29.1 44.28,53.5 U1.43
  Bottom w0.2: J6.7 125.04,20.96 123,23 v1(121,23) ; v1(93.5,23) v1(115,23)
HC05_RX: length 82.1
  Top w0.2: J5.4 135.04,48.96 133,51 ; R27.2 v1(98.5,52) ; v1(109,51) 133,51 ; 133,51 133.5,51 134.5,52 TP10.1 ; R27.1 98.5,77.24 U1.91
  Bottom w0.2: v1(109,51) 99.5,51 v1(98.5,52)
HC05_TX: length 117.5
  Top w0.2: R28.2 95.21,94.01 102.82,101.63 105.11,101.63 U1.76 ; 134.5,46 TP11.1 ; 134.5,46 140,46 140.42,46.42 J5.5 ; 134.5,46 131.5,46 v1(129.5,48) ; v1(91.5,48.5) 91.5,89.5 R28.1 ; v1(96.5,48.5) v1(120,48.5)
  Bottom w0.2: v1(91.5,48.5) v1(96.5,48.5) ; v1(120,48.5) 120.5,48 v1(129.5,48)
HC-05_MODE: length 109.8
  Top w0.2: U1.73 89.5,91.1 v1(89.5,56) ; J5.1 143.42,56.5 R4.2 110.5,56.5 110,56 v1(109,56)
  Bottom w0.2: v1(89.5,56) v1(109,56)
HP_servo1: length 74.3
  Top w0.2: 10,123 9,123 7.5,124.5 TP14.1 ; 10,123 8.5,124.5 8.5,126.96 J9.2 ; 10,123 11.5,121.5 21.5,121.5 24,124 33,124 v1(36,121) ; v1(36,112.5) v1(36,118)
  Bottom w0.2: v1(36,118) v1(36,121) ; 40.1,95.4 U1.9 ; 40.1,95.4 40.06,95.4 ; 40.1,95.4 38.5,97 38.5,102.5 36,105 v1(36,112.5)
HP_servo2: length 76.8
  Top w0.2: 136.54,122 137.54,123 TP13.1 ; 136.54,122 v1(127.5,122) ; 136.54,122 J10.2 ; v1(120,97) 119.5,97 v1(116,93.5)
  Bottom w0.2: U1.85 105.35,91.71 114.21,91.71 v1(116,93.5) ; v1(127.5,122) 127.5,104.5 v1(120,97)
HP_servo3: length 51.5
  Top w0.2: TP12.1 17.48,23.02 17.48,26.02 ; 17.48,26.02 19.46,28 44.18,28 U1.62 ; 17.48,26.02 J11.2
HP_servo4: length 124.8
  Top w0.2: v1(119,19.5) 139.04,19.5 141.52,17.02 ; TP15.1 141.5,14.5 142,15 142,16.54 141.52,17.02 ; J12.2 141.52,17.02
  Bottom w0.2: v1(119,19.5) 110.5,11 79.14,11 U1.50
I2C_Extra_SCL: length 23.1
  Top w0.2: J8.3 124.54,45.46 124.5,45.5 R24.2 107.9,46 U1.122
I2C_Extra_SDA: length 22.4
  Top w0.2: U1.132 109.1,34.5 117,34.5 119,36.5 R23.2 J8.2
I2C_INT: length 55.6
  Top w0.2: J3.6 123.5,70.3 ; 123.5,70.3 123.7,70.3 125,69 125,66 TP9.1 ; 123.5,70.3 122.8,70.3 R3.2 121.5,71 v1(120.5,71) ; v1(117,83) 117,85.5 115,87.5 115,91.5 v1(113.5,93)
  Bottom w0.2: v1(120.5,71) 117,74.5 v1(117,83) ; v1(113.5,93) 111.5,95 111.5,104.5 110.5,105.5 106.56,105.5 U1.74
I2C_SCL: length 55
  Top w0.2: 112,76 TP7.1 ; 112,76 R1.2 120.62,75.38 J3.4 ; 112,76 111.5,76.5 111.5,85.92 arc(111.43,86.09) 111.26,86.16 110.85,86.16 arc(110.68,86.23) 110.61,86.4 110.61,86.52 arc(110.68,86.69) 110.85,86.76 112.15,86.76 arc(112.32,86.83) 112.39,87 112.39,87.12 arc(112.32,87.29) 112.15,87.36 110.85,87.36 arc(110.68,87.43) 110.61,87.6 110.61,87.72 arc(110.68,87.89) 110.85,87.96 111.26,87.96 arc(111.43,88.03) 111.5,88.2 111.5,92 v1(112,92.5)
  Bottom w0.2: U1.75 105.11,101.87 108.87,101.87 109,101.74 109,101.5 109.5,101 109.5,95 v1(112,92.5)
I2C_SDA: length 60.5
  Top w0.2: TP8.1 113,71.5 112,72.5 111,72.5 ; v1(100,86.5) 106.87,86.5 109,84.37 109,73 109.5,72.5 111,72.5 ; 111,72.5 R2.2 115.84,72.84 J3.5 ; v1(99.99,96.51) 99.99,92.49 v1(98,90.5)
  Bottom w0.2: v1(98,90.5) 100,88.5 v1(100,86.5) ; v1(99.99,96.51) U1.77
MISO_SD: length 105.9
  Top w0.2: U1.63 44.32,25.5 R31.1 ; TP2.1 127,25.5 126.5,25.5 ; v1(113,25.5) 126.5,25.5 ; 126.5,25.5 129.5,25.5 ; 129.5,25.5 v1(131,25.5) ; 129.5,25.5 129,25.5 ; R31.2 v1(91,25.5)
  Bottom w0.2: v1(91,25.5) v1(113,25.5) ; v1(131,25.5) 132.5,25.5 135,23 140.46,23 J6.5
MOSI_SD: length 114
  Top w0.2: R30.2 64.5,51 v1(87.5,28) ; R30.1 44.32,51 U1.45 ; 135,28 139,28 J6.6 ; 135,28 v1(133,28) ; 135,28 TP3.1 ; v1(111,28) v1(117.5,28)
  Bottom w0.2: v1(117.5,28) v1(133,28) ; v1(87.5,28) v1(111,28)
MOTOR_EN_LIDAR: length 41.7
  Top w0.2: 143.29,98.67 116.78,98.67 106.5,88.39 U1.88
QUADSPI_CLK: length 82.1
  Top w0.2: J14.7 36.64,35.66 62.66,35.66 v1(69.5,42.5) ; v1(100,49.5) 100,50.44 103.17,53.61 105.35,53.61 U1.114
  Bottom w0.2: v1(69.5,42.5) 93,42.5 v1(100,49.5)
QUADSPI_IO0: length 12.1
  Top w0.2: U1.54 44.22,40.84 J14.6
QUADSPI_IO1: length 14.2
  Bottom w0.2: J14.5 39.01,38.37 44.15,38.37 U1.56
QUADSPI_IO2: length 13.1
  Bottom w0.2: U1.46 44.15,48.29 36.37,48.29 J14.4
QUADSPI_IO3: length 72.6
  Bottom w0.2: J14.3 36.37,50.83 84.83,50.83 87.5,53.5 102.7,53.5 U1.113
QUADSPI_NCS: length 79.9
  Bottom w0.2: J14.2 39,56 78,56 97.08,75.08 U1.97
SCK_SD: length 119.1
  Top w0.2: v1(108,31) v1(115.5,31) ; U1.83 103.86,92.86 R32.2 ; v1(94,31) 94,83 R32.1 ; 135.5,32.5 TP1.1 ; 135.5,32.5 135,32.5 133.5,31 v1(133,31) ; 135.5,32.5 140,32.5 141,31.5 141,31.08 J6.4
  Bottom w0.2: v1(115.5,31) v1(133,31) ; v1(108,31) 107.75,30.75 94.25,30.75 v1(94,31)
